# Altium PCB Tracker_v1_1_small_1.PcbDoc (continued)
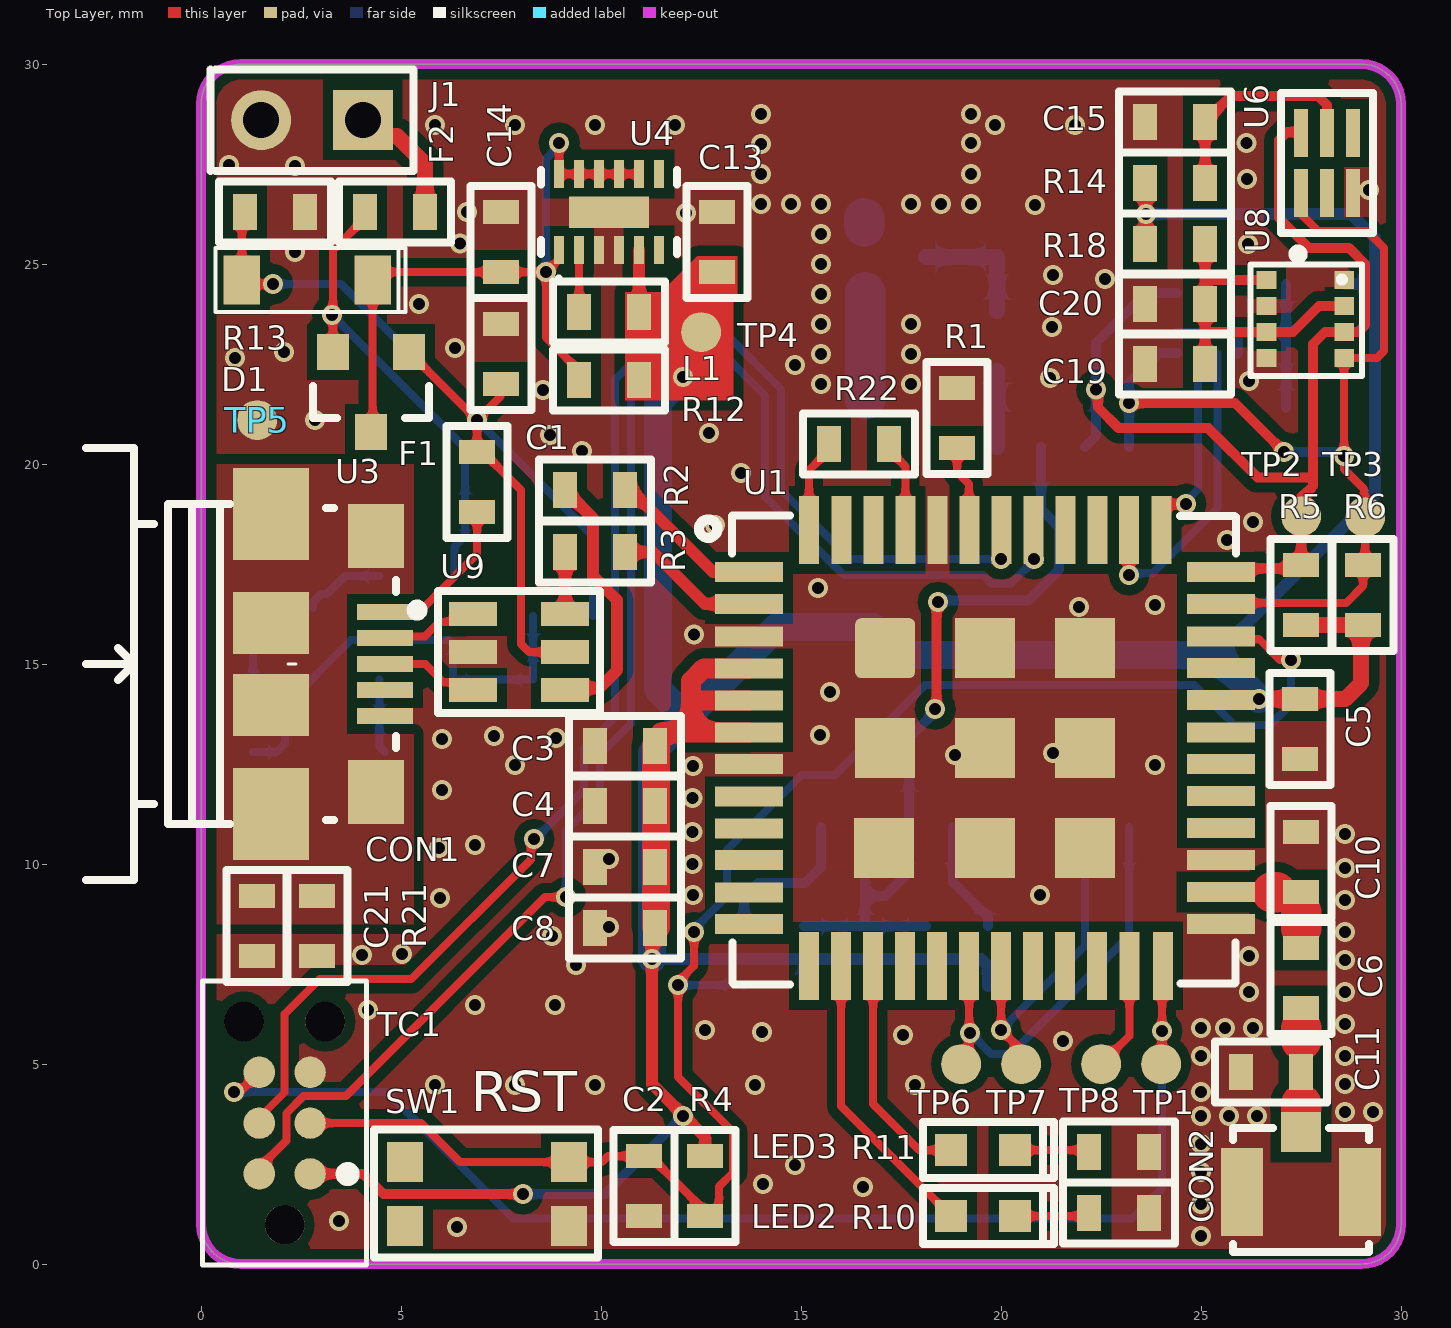
[diagram p0: Top Layer view]
## Part data (continued)
R8 R12 R14 R15 R17 R18 R19 R20 R22: library part RMCF0603ZT0R00, "RES 0 OHM JUMPER 1/10W 0603", Case/Package=0603, Case Code (Metric)=1608, Current Rating=1A, Manufacturer="Stackpole Electronics", Max Operating Temperature=155°C, Max Power Dissipation=100mW, Min Operating Temperature=-55°C, Resistance=0mR, Supplier Part Number 1=RMCF0603ZT0R00-ND, Working Voltage=75V, Case Code (Imperial)=0603, Composition="Thick Film", Contact Plating=Tin,Matte, Depth=0.8mm, Features="Automotive AEC-Q200", Height=0.022inch, Lead Free="Lead Free", Length=1.55mm, Manufacturer Part Number=RMCF0603ZT0R00, Military Standard=Not, Mount="Surface Mount", Number of Terminations=2, Packaging="Tape and Reel", Power Rating=100mW, Radiation Hardening=No, Stock 1=0, Supplier 1=Digi-Key, Width=0.031inch
R9: library part CR0603-JW-202ELF, "Res Thick Film 0603 2K Ohm 5% 1/10W ±200ppm/°C Molded SMD SMD Paper Tape on Plastic Reel", Case/Package=0603, Case Code (Metric)=1608, Manufacturer=Bourns, Max Operating Temperature=155°C, Min Operating Temperature=-55°C, Package Quantity=5000, Power Rating=100mW, Resistance=2kR, Supplier Part Number 1=2787805RL, Temperature Coefficient=200ppm/°C, Tolerance=5%, Voltage Rating=50V, Case Code (Imperial)=0603, ComponentLink1Description=http://www.bourns.com/pdfs/chpreztr.pdf?src-supplier=Avnet, ComponentLink1URL=http://www.bourns.com/pdfs/chpreztr.pdf?src-supplier=Avnet, ComponentLink2Description=http://www.bourns.com/pdfs/chpreztr.pdf?src-supplier=Avnet+Europe, ComponentLink2URL=http://www.bourns.com/pdfs/chpreztr.pdf?src-supplier=Avnet+Europe, Composition="Thick Film", Contact Plating=Tin, Depth=0.8mm, Height=0.45mm, Length=1.6mm, Manufacturer Part Number=CR0603-JW-202ELF, Military Standard=Not, Mount="Surface Mount", Packaging="Tape and Reel", Pricing 1="150=0.011, 500=0.0085, 1000=0.0077 (EUR)", Radiation Hardening=No, Stock 1=0, Supplier 1=Farnell, Termination=SMD/SMT, Thickness=457um, Width=0.8mm
R13 R21: library part CPF-A-0603B100KE1, "TE CONNECTIVITY         CPF-A-0603B100KE1             SMD Chip Resistor, Thin Film, 100 kohm, 50 V, 0603 [1608 Metric], 62.5 mW,  0.1%, CPF-A Series", Case/Package=0603, Case Code (Metric)=1608, Manufacturer="TE Connectivity", Number of Resistors=1, Power Rating=63mW, Resistance=100kR, Supplier Part Number 1=2483881RL, Temperature Coefficient=25ppm/°C, Tolerance=0.1%, Voltage Rating=50V, Case Code (Imperial)=0603, Composition="Thin Film", ELV=Compliant, Manufacturer Part Number=CPF-A-0603B100KE1, Mount="Surface Mount", Number of Terminations=2, Packaging="Tape and Reel", Pricing 1="150=0.209, 250=0.198, 500=0.172, 1000=0.135, 5000=0.13 (EUR)", REACH SVHC="No SVHC", Stock 1=0, Supplier 1=Farnell, Termination=Solder, Voltage Rating (DC)=50V
R16: library part CRCW060310R0FKEA, "RES SMD 10 OHM 1% 1/10W 0603", Case/Package=0603, Case Code (Metric)=1608, Manufacturer=Vishay, Max Operating Temperature=155°C, Max Power Dissipation=100mW, Min Operating Temperature=-55°C, Package Quantity=10, Supplier Part Number 1=541-10.0HTR-ND, Temperature Coefficient=100ppm/°C, Tolerance=1%, Voltage Rating=75V, Case Code (Imperial)=0603, ComponentLink1Description=http://www.vishay.com/docs/20035/dcrcwe3.pdf?src-supplier=Digi-Key, ComponentLink1URL=http://www.vishay.com/docs/20035/dcrcwe3.pdf?src-supplier=Digi-Key, ComponentLink2Description=http://uk.rs-online.com/webdocs/0d98/0900766b80d98afc.pdf?src-supplier=RSComponents, ComponentLink2URL=http://uk.rs-online.com/webdocs/0d98/0900766b80d98afc.pdf?src-supplier=RSComponents, ComponentLink3Description=http://www.vishay.com/docs/20035/dcrcwe3.pdf?src-supplier=Future+Electronics, ComponentLink3URL=http://www.vishay.com/docs/20035/dcrcwe3.pdf?src-supplier=Future+Electronics, ComponentLink4Description=https://www.distrelec.biz/Web/Downloads/a_/en/flD-CRCW-e3_data_en.pdf?mime=application%2Fpdf&src-supplier=Distrelec, ComponentLink4URL=https://www.distrelec.biz/Web/Downloads/a_/en/flD-CRCW-e3_data_en.pdf?mime=application%2Fpdf&src-supplier=Distrelec, ComponentLink5Description=http://www.alliedelec.com/m/d/0c934d6939ccefa68dbe0b96d821c8cf.pdf?src-supplier=Allied+Electronics, ComponentLink5URL=http://www.alliedelec.com/m/d/0c934d6939ccefa68dbe0b96d821c8cf.pdf?src-supplier=Allied+Electronics, ComponentLink6Description=http://www.vishay.com/docs/20035/dcrcwe3.pdf?src-supplier=Avnet, ComponentLink6URL=http://www.vishay.com/docs/20035/dcrcwe3.pdf?src-supplier=Avnet, ComponentLink7Description=http://www.mouser.com/ds/2/427/dcrcwe3-109170.pdf?src-supplier=Mouser, ComponentLink7URL=http://www.mouser.com/ds/2/427/dcrcwe3-109170.pdf?src-supplier=Mouser, ComponentLink8Description=http://www.farnell.com/datasheets/2045673.pdf?src-supplier=Element14, ComponentLink8URL=http://www.farnell.com/datasheets/2045673.pdf?src-supplier=Element14, Composition="Thick Film", Contact Plating=Tin, Depth=0.85mm, Features="Automotive AEC-Q200", Height=0.45mm, Lead Free="Lead Free", Length=1.55mm, Manufacturer Part Number=CRCW060310R0FKEA, Military Standard=Not, Mount="Surface Mount", Number of Pins=2, Number of Terminations=2, Packaging="Tape and Reel", Power Rating=100mW, REACH SVHC=Unknown, Resistance=10R, Stock 1=0, Supplier 1=Digi-Key, Termination=SMD/SMT, Voltage Rating (DC)=75V, Weight=7.1E-05oz, Width=0.033inch
SW1: "SWITCH TACTILE SPST-NO 0.05A 32V", Contact Current Rating=50mA, Manufacturer="ITT C&K", Max Operating Temperature=85°C, Max Voltage Rating (DC)=32V, Min Operating Temperature=-40°C, Operating Force=1.2N, Package Quantity=1, Power Rating=1W, Supplier Part Number 1=1437635RL, Actuator Length=0.5mm, Actuator Type=Standard, ComponentLink1Description=http://uk.rs-online.com/webdocs/129c/0900766b8129c9f0.pdf?src-supplier=RSComponents, ComponentLink1URL=http://uk.rs-online.com/webdocs/129c/0900766b8129c9f0.pdf?src-supplier=RSComponents, ComponentLink2Description=http://www1.futureelectronics.com/doc/C%20-%20K%20COMPONENTS/KMR211GLFS.pdf?src-supplier=Future+Electronics, ComponentLink2URL=http://www1.futureelectronics.com/doc/C%20-%20K%20COMPONENTS/KMR211GLFS.pdf?src-supplier=Future+Electronics, ComponentLink3Description=http://www.farnell.com/datasheets/2044619.pdf?src-supplier=Element14, ComponentLink3URL=http://www.farnell.com/datasheets/2044619.pdf?src-supplier=Element14, ComponentLink4Description=http://www.ck-components.com/14414/kmr2_9aug12.pdf/?src-supplier=Avnet, ComponentLink4URL=http://www.ck-components.com/14414/kmr2_9aug12.pdf/?src-supplier=Avnet, ComponentLink5Description=http://www.ck-components.com/14414/kmr2_9aug12.pdf/?src-supplier=Avnet+Europe, ComponentLink5URL=http://www.ck-components.com/14414/kmr2_9aug12.pdf/?src-supplier=Avnet+Europe, ComponentLink6Description=https://www.ckswitches.com/media/1479/kmr2.pdf?src-supplier=Digi-Key, ComponentLink6URL=https://www.ckswitches.com/media/1479/kmr2.pdf?src-supplier=Digi-Key, ComponentLink7Description=http://www.ckswitches.com/media/1479/kmr2.pdf?src-supplier=Onlinecomponents.com, ComponentLink7URL=http://www.ckswitches.com/media/1479/kmr2.pdf?src-supplier=Onlinecomponents.com, Contact Material=Silver, Contact Plating=Silver, Current Rating=50mA, Depth=4.6mm, Illumination Type=Non-Illuminated,Illuminated, Lead Free="Lead Free", Length=2.8mm, Manufacturer Part Number=KMR211GLFS, Max Current Rating=50mA, Mechanical Life=200000Cycles, Mount="Surface Mount", Orientation=Straight, Packaging="Tape and Reel", Radiation Hardening=No, REACH SVHC="No SVHC", Stock 1=0, Supplier 1=Farnell, Switch Function=Off-Mom, Switch Travel=0.2mm, Termination="Gull Wing", Throw Configuration=SPST, Voltage Rating (DC)=32V, Width=2.8mm
TP1 TP2 TP3 TP4 TP5 TP6 TP7 TP8: "TEST POINT ROUND SMD", ComponentLink1Description=Datasheet, FIT=0.94, Komp / Device=SMD
U1: "MURATA - CMWX1ZZABZ-091 - RF MODULE, 860-930MHZ, 4.8KBPS, 18.5DBM", Manufacturer=Murata, Supplier Part Number 1=2802546, Manufacturer Part Number=CMWX1ZZABZ-091, Pricing 1="1=16.46, 5=16.26, 10=13.54, 50=12.97, 100=12.39, 250=9.81 (EUR)", Stock 1=1534, Supplier 1=Farnell
U2: "MICROCHIP - MCP73831T-2ACI/OT - LI-ION/LI-POLY CHARGE CONTROLLER", Case/Package=SOT-23, Drain to Source Resistance=350mR, Manufacturer=Microchip, Max Charge Current=500mA, Max Input Voltage=6V, Max Operating Temperature=85°C, Max Output Voltage=4.5V, Max Power Dissipation=1.54W, Min Operating Temperature=-40°C, Min Output Voltage=4.168V, Min Supply Voltage=3.75V, Output Voltage=4.2V, Supplier Part Number 1=1332158, Voltage Rating=4.534V, ComponentLink1Description=http://www.microchip.com/mymicrochip/filehandler.aspx?ddocname=en023833&src-supplier=Digi-Key, ComponentLink1URL=http://www.microchip.com/mymicrochip/filehandler.aspx?ddocname=en023833&src-supplier=Digi-Key, ComponentLink2Description=http://www.farnell.com/datasheets/630369.pdf?src-supplier=Element14, ComponentLink2URL=http://www.farnell.com/datasheets/630369.pdf?src-supplier=Element14, ComponentLink3Description=http://www.farnell.com/datasheets/2124927.pdf?src-supplier=Element14, ComponentLink3URL=http://www.farnell.com/datasheets/2124927.pdf?src-supplier=Element14, ComponentLink4Description=http://ww1.microchip.com/downloads/en/DeviceDoc/21984e.pdf?src-supplier=Avnet, ComponentLink4URL=http://ww1.microchip.com/downloads/en/DeviceDoc/21984e.pdf?src-supplier=Avnet, ComponentLink5Description=http://www.farnell.com/datasheets/2124927.pdf?src-supplier=Newark, ComponentLink5URL=http://www.farnell.com/datasheets/2124927.pdf?src-supplier=Newark, ComponentLink6Description=http://www.microchip.com/mymicrochip/filehandler.aspx?ddocname=en025112&src-supplier=Future+Electronics, ComponentLink6URL=http://www.microchip.com/mymicrochip/filehandler.aspx?ddocname=en025112&src-supplier=Future+Electronics, ComponentLink7Description=http://www.produktinfo.conrad.com/datenblaetter/650000-674999/651521-da-01-en-CONTR__MCP73831T_2ACI_OT_SOT_23_5_MCP.pdf?src-supplier=Conrad, ComponentLink7URL=http://www.produktinfo.conrad.com/datenblaetter/650000-674999/651521-da-01-en-CONTR__MCP73831T_2ACI_OT_SOT_23_5_MCP.pdf?src-supplier=Conrad, Contact Plating=Tin,Matte, Height=0.051inch, Lead Free="Lead Free", Length=0.122inch, Manufacturer Part Number=MCP73831T-2ACI/OT, Max Supply Voltage=6V, Mount="Surface Mount", Number of Cells=1, Number of Channels=1, Number of Outputs=1, Number of Pins=5, Output Current=500mA, Packaging="Tape and Reel", Pricing 1="1=0.493, 10=0.484, 25=0.412, 50=0.39, 100=0.368 (EUR)", Radiation Hardening=No, REACH SVHC="No SVHC", Stock 1=14250, Supplier 1=Farnell, Termination=SMD/SMT, Weight=0.00709oz, Width=0.071inch
U3: "MOSFET P-CH 20V 4A SOT-23", Case/Package=SOT-23, Continuous Drain Current (ID)=4A, Drain to Source Breakdown Voltage=-20V, Drain to Source Resistance=42.5mR, Drain to Source Voltage (Vdss)=20V, Gate to Source Voltage (Vgs)=8V, Input Capacitance=294pF, Manufacturer=Diodes, Max Operating Temperature=150°C, Max Power Dissipation=900mW, Min Operating Temperature=-55°C, Package Quantity=3000, Supplier Part Number 1=1843688RL, Threshold Voltage=-550mV, ComponentLink1Description=http://www.diodes.com/datasheets/ds31735.pdf?src-supplier=Avnet, ComponentLink1URL=http://www.diodes.com/datasheets/ds31735.pdf?src-supplier=Avnet, ComponentLink2Description=https://www.diodes.com/assets/Datasheets/ds31735.pdf?src-supplier=Digi-Key, ComponentLink2URL=https://www.diodes.com/assets/Datasheets/ds31735.pdf?src-supplier=Digi-Key, ComponentLink3Description=http://www.mouser.com/ds/2/115/ds31735-64958.pdf?src-supplier=Mouser, ComponentLink3URL=http://www.mouser.com/ds/2/115/ds31735-64958.pdf?src-supplier=Mouser, ComponentLink4Description=http://www.farnell.com/datasheets/1915618.pdf?src-supplier=Element14, ComponentLink4URL=http://www.farnell.com/datasheets/1915618.pdf?src-supplier=Element14, ComponentLink5Description=http://www.diodes.com/_files/datasheets/ds31735.pdf?src-supplier=Future+Electronics, ComponentLink5URL=http://www.diodes.com/_files/datasheets/ds31735.pdf?src-supplier=Future+Electronics, Contact Plating=Tin,Matte, Element Configuration=Single, Fall Time=393ns, Height=1mm, Lead Free="Lead Free", Length=2.9mm, Manufacturer Part Number=DMG3415U-7, Mount="Surface Mount", Nominal Vgs=-550mV, Number of Channels=1, Number of Elements=1, Number of Pins=3, On-State Resistance=42.5mR, Packaging="Tape and Reel", Power Dissipation=900mW, Radiation Hardening=No, Rds On Max=39mR, REACH SVHC="No SVHC", Rise Time=117ns, Stock 1=0, Supplier 1=Farnell, Turn-Off Delay Time=795ns, Turn-On Delay Time=71ns, Weight=0.000282oz, Width=1.3mm
U4: "Switching Voltage Regulators 360-nA Iq SD Cnvtr w/ Intg Load Switch", Manufacturer="Texas Instruments", Max Input Voltage=5.5V, Max Operating Temperature=85°C, Max Output Current=300mA, Max Output Voltage=3.3V, Min Input Voltage=2.2V, Min Operating Temperature=-40°C, Min Output Voltage=1.8V, Package Quantity=3000, Quiescent Current=300nA, Supplier Part Number 1=2542791, Switching Frequency=2MHz, ComponentLink1Description=http://www.ti.com/lit/ds/symlink/tps62740.pdf?src-supplier=Digi-Key, ComponentLink1URL=http://www.ti.com/lit/ds/symlink/tps62740.pdf?src-supplier=Digi-Key, ComponentLink2Description=http://www.ti.com/lit/ds/symlink/tps62740.pdf?src-supplier=Avnet, ComponentLink2URL=http://www.ti.com/lit/ds/symlink/tps62740.pdf?src-supplier=Avnet, Efficiency=90%, Lead Free="Lead Free", Manufacturer Part Number=TPS62740DSSR, Min Supply Voltage=2.2V, Mount="Surface Mount", Number of Outputs=1, Number of Pins=12, Operating Supply Current=300mA, Operating Supply Voltage=5.5V, Output Current=300mA, Output Voltage=3.3V, Packaging="Tape and Reel", Pricing 1="3000=0.685, 6000=0.679, 9000=0.672 (EUR)", Radiation Hardening=No, REACH SVHC="No SVHC", Stock 1=0, Supplier 1=Farnell
U5: library part MAX-M8Q-0, "Rf Rcvr Gnss/gps 1.575GHZ 18LCC", Manufacturer=u-blox, Supplier Part Number 1=672-1003-6-ND, Manufacturer Part Number=MAX-M8Q-0, Stock 1=10805, Supplier 1=Digi-Key
U6: "IC LIGHT TO DGTL CONV 6-DFN", Case/Package=WFDFN, Manufacturer="ams TAOS", Max Frequency=400kHz, Max Operating Temperature=70°C, Min Operating Temperature=-30°C, Operating Supply Voltage=3V, Package Quantity=1, Supplier Part Number 1=TSL25911FNTR-ND, ComponentLink1Description=http://www.mouser.com/ds/2/588/TSL2591_DS000338_3-00-253098.pdf?src-supplier=Mouser, ComponentLink1URL=http://www.mouser.com/ds/2/588/TSL2591_DS000338_3-00-253098.pdf?src-supplier=Mouser, ComponentLink2Description=http://www1.futureelectronics.com/doc/AMS/TSL25911FN.pdf?src-supplier=Future+Electronics, ComponentLink2URL=http://www1.futureelectronics.com/doc/AMS/TSL25911FN.pdf?src-supplier=Future+Electronics, ComponentLink3Description=https://ams.com/documents/20143/36005/TSL2591_DS000338_6-00.pdf?src-supplier=Digi-Key, ComponentLink3URL=https://ams.com/documents/20143/36005/TSL2591_DS000338_6-00.pdf?src-supplier=Digi-Key, ComponentLink4Description=http://www.ams.com/eng/content/download/389383/1251117/221235?src-supplier=Digi-Key, ComponentLink4URL=http://www.ams.com/eng/content/download/389383/1251117/221235?src-supplier=Digi-Key, Data Bus Width=16b, Interface=I2C, Lead Free="Lead Free", Manufacturer Part Number=TSL25911FN, Number of Pins=6, Output Type=I2C, Packaging="Tape and Reel", Stock 1=28000, Supplier 1=Digi-Key, Wavelength=850nm
U7: "STMICROELECTRONICS - LIS2DH12TR - 3-AXIS ACCELEROMETER, DIGITAL, LGA-12", Case/Package=LGA, Manufacturer=STMicroelectronics, Max Operating Temperature=85°C, Max Supply Voltage=3.6V, Min Operating Temperature=-40°C, Min Supply Voltage=1.71V, Supplier Part Number 1=2433081RL, Axis="X, Y, Z", Bandwidth=672Hz, ComponentLink1Description=http://www.farnell.com/datasheets/2006544.pdf?src-supplier=Element14, ComponentLink1URL=http://www.farnell.com/datasheets/2006544.pdf?src-supplier=Element14, Contact Plating=Gold, Height=1mm, Interface=I2C,SPI, Lead Free="Lead Free", Length=2.15mm, Manufacturer Part Number=LIS2DH12TR, Mount="Surface Mount", Number of Pins=12, Output Type=SPI,I2C,Digital, Packaging="Cut Tape", Radiation Hardening=No, REACH SVHC="No SVHC", Stock 1=0, Supplier 1=Farnell, Width=2.15mm
U8: "Pressure, Temperature and Humidity Sensor Digital Output 1.8V 8-Pin LGA T/R", Case/Package=LGA, Manufacturer=Bosch, Supplier Part Number 1=828-1063-2-ND, Lead Free="Lead Free", Manufacturer Part Number=BME280, Number of Pins=8, Stock 1=0, Supplier 1=Digi-Key
U9: "TVS DIODE 5.25V 17V SOT23-6", Breakdown Voltage=6V, Capacitance=3.5pF, Case/Package=SOT-23, Clamping Voltage=17V, Leakage Current=150nA, Manufacturer=STMicroelectronics, Max Operating Temperature=125°C, Min Operating Temperature=-40°C, Operating Supply Voltage=1.1V, Package Quantity=3000, Peak Pulse Current=5A, Power Line Protection=Yes, Reverse Standoff Voltage=5.25V, Test Current=1mA, Working Voltage=5V, ComponentLink1Description=http://www.farnell.com/datasheets/1690354.pdf?src-supplier=Element14, ComponentLink1URL=http://www.farnell.com/datasheets/1690354.pdf?src-supplier=Element14, ComponentLink2Description=http://www.st.com/content/ccc/resource/technical/document/datasheet/06/1d/48/9c/6c/20/4a/b2/CD00050750.pdf/files/CD00050750.pdf/jcr:content/translations/en.CD00050750.pdf?src-supplier=Mouser, ComponentLink2URL=http://www.st.com/content/ccc/resource/technical/document/datasheet/06/1d/48/9c/6c/20/4a/b2/CD00050750.pdf/files/CD00050750.pdf/jcr:content/translations/en.CD00050750.pdf?src-supplier=Mouser, ComponentLink3Description=http://www.st.com/web/en/resource/technical/document/datasheet/CD00050750.pdf?src-supplier=Future+Electronics, ComponentLink3URL=http://www.st.com/web/en/resource/technical/document/datasheet/CD00050750.pdf?src-supplier=Future+Electronics, ComponentLink4Description=http://www.st.com/content/ccc/resource/technical/document/datasheet/06/1d/48/9c/6c/20/4a/b2/CD00050750.pdf/files/CD00050750.pdf/jcr:content/translations/en.CD00050750.pdf?src-supplier=Verical, ComponentLink4URL=http://www.st.com/content/ccc/resource/technical/document/datasheet/06/1d/48/9c/6c/20/4a/b2/CD00050750.pdf/files/CD00050750.pdf/jcr:content/translations/en.CD00050750.pdf?src-supplier=Verical, ComponentLink5Description=http://datasheet.iiic.cc/stmicroelectronics/USBLC6-2SC6.pdf?src-supplier=IIIC, ComponentLink5URL=http://datasheet.iiic.cc/stmicroelectronics/USBLC6-2SC6.pdf?src-supplier=IIIC, ComponentLink6Description=http://www.produktinfo.conrad.com/datenblaetter/1100000-1199999/001184109-da-01-en-IC_ESD_PROTECTI_USBLC6_2SC6_SOT_23_6_STM.pdf?src-supplier=Conrad, ComponentLink6URL=http://www.produktinfo.conrad.com/datenblaetter/1100000-1199999/001184109-da-01-en-IC_ESD_PROTECTI_USBLC6_2SC6_SOT_23_6_STM.pdf?src-supplier=Conrad, Contact Plating=Tin,Matte, Data Rate=480Mbps, Depth=1.75mm, Direction=Unidirectional,Bidirectional, Element Configuration=Dual, ESD Protection=Yes, Height=1.3mm, Lead Free="Lead Free", Length=3.05mm, Manufacturer Part Number=USBLC6-2SC6, Max Breakdown Voltage=6V, Max Reverse Leakage Current=150nA, Min Breakdown Voltage=6V, Mount="Surface Mount", Number of Bidirectional Channels=2, Number of Channels=2, Number of Elements=1, Number of Pins=6, Packaging="Tape and Reel", Polarity=Unidirectional,Bidirectional, Radiation Hardening=No, REACH SVHC="No SVHC", Reverse Breakdown Voltage=6V, Stock 1=0, Supplier 1=Farnell, Termination=SMD/SMT, Width=1.75mm

## Via types
v1: diameter 0.5, hole 0.3, Top Layer to Bottom Layer, tented both sides, 144 vias
v2: diameter 0.5, hole 0.3, Top Layer to Bottom Layer, 14 vias

## Nets (pads, with @x,y where several pads share a name; then routed paths per layer and width w, separated by ;. In a path a pad name is that pad's centre, name@x,y a point inside that pad or via, vN(x,y) a via of type N, cw(c..) or ccw(c..) an arc to the next point about the centre after c; other vN are vias at no path point)
ACC_INT_1: U1.37 U7.12 | length 5.1
  Top Layer w0.25: U1.37 24.008,18.876 24.133,19.001 v1(24.626,19.001)
  Bottom Layer w0.2: v1(24.626,19.001) 24.626,19.069 24.927,19.37 24.927,22.748 U7.12
ACC_INT_2: U1.38 U7.11 | length 7.9
  Top Layer w0.25: v1(23.198,17.225) U1.38
  Bottom Layer w0.2: v1(23.198,17.225) 23.246,17.273 23.788,17.273 25.412,18.898 U7.11
GND: C1.1 C2.1 C3.1 C4.1 C5.1 C7.1 C8.1 C9.1 C10.1 C11.1 C12.1 C13.1 C14.1 C15.1 C16.1 C17.2 C18.2 C19.1 C20.1 C21.2 C22.1 C23.1 CON1.5 CON2.2 CON3.2 J1.2 R1.1 R9.1 R10.1 R11.1 R13.2 R21.2 SW1.4 TC1.5 TP5.0 U1.3 U1.7 U1.25 U1.27 U1.44 U1.49 U1.50 U1.51 U1.52 U1.53 U1.54 U1.55 U1.56 U1.57 U2.2 U4.3 U4.4 U4.13 U5.1 U5.10 U5.12 U6.3 U7.3 U7.5 U7.6 U7.7 U7.8 U8.1 U8.5 U8.7 U9.2
  other v1: 25,0.7 6.4,0.925 3.45,1.075 25,1.5 16.55,1.925 14.05,2 25,2.3 14.85,2.475 25,3 25,3.7 25.7,3.7 26.4,3.7 28.6,3.8 29.3,3.8 25,4.3 5.85,4.475 7.85,4.475 9.85,4.475 13.85,4.475 17.85,4.475 28.6,4.5 25,5.2 28.6,5.2 21.55,5.575 17.55,5.725 25,5.9 25.6,5.9 26.3,5.9 28.6,6 4.175,6.35 6.85,6.475 8.85,6.475 26.2,6.8 28.6,6.8 9.375,7.475 28.6,7.6 26.2,7.7 4.025,7.725 5.025,7.75 8.775,8.201 28.6,8.3 10.2,8.425 28.6,9.1 5.975,9.15 20.975,9.225 28.6,9.9 10.2,10.125 5.946,10.4 6.85,10.475 28.6,10.75 6.025,11.85 7.85,12.475 23.85,12.475 18.842,12.725 21.3,12.777 6.025,13.125 8.875,13.15 7.32,13.2 15.475,13.225 15.725,14.3 21.95,16.425 23.85,16.475 25.65,18.1 12.85,18.475 26.3,18.55 13.5,19.775 8.725,20.725 12.7,20.775 2.85,21.103 15.5,22 17.75,22 21.225,22.15 14.85,22.475 0.85,22.65 15.5,22.75 17.75,22.75 2.075,22.8 6.35,22.9 21.275,23.425 15.5,23.5 17.75,23.5 5.45,24 15.5,24.25 22.6,24.632 21.3,24.725 15.5,25 6.475,25.512 26.175,25.5 15.5,25.75 12.122,26.275 6.65,26.3 20.85,26.475 14,26.5 14.75,26.5 15.5,26.5 17.75,26.5 18.5,26.5 19.25,26.5 29.2,26.85 26.15,27.125 14,27.25 19.25,27.25 2.35,27.45 0.7,27.475 14,28 19.25,28.03 26.136,28.03 5.85,28.475 7.85,28.475 9.85,28.475 11.85,28.475 19.85,28.475 21.85,28.475 14,28.75 19.25,28.75
  other v2: 14.025,5.8 12.6,5.85 12.301,9.225 12.288,10 12.286,10.8 12.286,11.65 12.304,12.45 12.325,15.736 15.425,16.9 9.525,20.325 8.546,21.85 26.197,22.075 2.35,25.3
NetC6_1: C6.1 C10.2 U1.26 | length 0.5
  Top Layer w1.016: 26.775,9.295 26.875,9.295 ; 27.5,8.4 27.5,8.8
NetC6_2: C6.2 C11.2 CON2.1 | length 0.4
  Top Layer w1.016: 27.5,3.9 27.5,4 ; 27.5,5.6 27.5,5.9
NetC9_2: C9.2 LED1.2 R8.1 U2.4 | length 11.2
  Bottom Layer w0.2: LED1.2 1.883,12.8 2.1,13.017 2.1,13.956 3.742,15.598 6.183,15.598 6.3,15.481 6.3,14.649 U2.4 C9.2 R8.1
NetC14_2: C14.2 D1.1 R12.2 U3.1 U4.1 U4.8 U4.9 U4.10 U4.11 U4.12 | length 18.1
  Top Layer w0.2: U3.1 4.291,20.843 D1.1 4.491,24.8 C14.2 v1(8.625,24.8) ; v1(8.95,28.03) U4.12 U4.11 U4.10 U4.9 U4.8 ; U4.1@8.971,25.329 U4.1 8.95,25.125 v1(8.625,24.8) ; R12.2 9.45,22.34 8.625,23.165 v1(8.625,24.8)
  Bottom Layer w0.2: v1(8.625,24.8) 8.625,27.624 8.95,27.949 v1(8.95,28.03)
NetC15_2: C15.2 R14.1 U6.5 | length 5.6
  Top Layer w0.25: R14.1 C15.2 25.75,29.2 27.925,29.2 28.15,28.975 U6.5
NetC16_2: C16.2 L2.1 R16.1 | length 3.1
  Bottom Layer w0.4: L2.1@18.125,25.175 C16.2 R16.1
NetC17_1: C17.1 C18.1 R17.1 U7.2 U7.9 U7.10 | length 6.4
  Bottom Layer w0.25: U7.2 U7.9 ; U7.10@25.9,22.75 U7.10 U7.9 ; C18.1 C17.1 C17.1@27.125,23.1 ; R17.1 C17.1@27.125,23.1 ; U7.9 26.95,23.275 C17.1@27.125,23.1
NetC19_2: C19.2 C20.2 R18.1 U8.2 U8.6 U8.8 | length 8.2
  Top Layer w0.25: C19.2 25.1,23.25 ; R18.1 25.1,24.75 C20.2 ; C20.2@25.125,24.025 C20.2 ; 25.25,24.6 U8.8 ; U8.2 27.95,23.95 27.3,23.3 U8.6 25.15,23.3 25.1,23.25 ; 25.1,23.25 C20.2
NetC21_1: C21.1 CON1.6 CON1.7 CON1.8 CON1.9 CON1.10 CON1.11 R21.1
NetC22_2: C22.2 C23.2 R19.2 U5.7 U5.8 U5.15 | length 20.5
  Top Layer w0.25: v1(18.351,13.876) 18.388,13.913 18.388,16.513 v1(18.425,16.55)
  Bottom Layer w0.25: R19.2 C23.2 ; U5.8 16.6,9.2 ; C22.2 C23.2 ; v1(18.351,13.876) 18.351,13.808 17.7,13.157 U5.7 17.65,10.875 17.65,9.75 17.1,9.2 16.6,9.2 ; v1(18.425,16.55) 18.471,16.596 20.686,16.596 21.454,17.364 21.454,18.418 21,18.872 U5.15 ; C23.2 16.6,9.2
NetCON1_1: CON1.1 F1.1 | length 4
  Top Layer w0.2: CON1.1 4.65,16.25 5.4,16.25 5.846,16.696 ; 5.846,16.697 6.9,17.751 F1.1
NetCON3_1: CON3.1 L2.2 U5.11 | length 2.9
  Bottom Layer w1.016: 16.575,25.95 16.575,26.15 ; 16.6,21.625 16.6,24.3
NetF2_2: F2.2 J1.1 | length 3.2
  Top Layer w0.4: J1.1 4.443,28.2 4.9,28.2 5.6,27.5 F2.2
NetL1_1: L1.1 U4.2 | length 1.5
  Top Layer w0.2: L1.1 U4.2
NetLED1_1: LED1.1 R7.1 | length 2
  Bottom Layer w0.2: LED1.1 R7.1
NetLED2_1: LED2.1 R10.2 | length 1.9
  Top Layer w0.2: LED2.1 22.125,1.2 R10.2
NetLED2_2: LED2.2 U1.14 | length 7.4
  Top Layer w0.2: U1.14 16,3.95 LED2.2
NetLED3_1: LED3.1 R11.2 | length 1.9
  Top Layer w0.2: LED3.1 22.15,2.85 R11.2
NetLED3_2: LED3.2 U1.15 | length 5.9
  Top Layer w0.2: U1.15 16.8,4 17.95,2.85 LED3.2
NetR1_2: R1.2 U1.43 | length 2.2
  Top Layer w0.2: R1.2 18.9,19.8 19.195,19.505 19.195,18.368 U1.43
NetR7_2: R7.2 U2.1 | length 2.1
  Bottom Layer w0.2: R7.2 2.8,16.55 3,16.75 3.15,16.75 3.6,17.2 U2.1
NetR9_2: R9.2 U2.5 | length 1.9
  Bottom Layer w0.2: U2.5 4.46,12.94 R9.2
NetR15_1: R15.1 U5.9 | length 4
  Bottom Layer w0.25: R15.1 13.575,9.175 13.925,9.525 15.1,9.525 15.5,9.925 U5.9
NetR16_2: R16.2 U5.14 | length 1.9
  Bottom Layer w0.4: U5.14 R16.2
NetR20_2: R20.2 U5.6 | length 2.8
  Bottom Layer w0.25: U5.6 18.8,9.55 19.675,8.675 R20.2
NetR22_1: R22.1 U1.48 | length 2.4
  Top Layer w0.2: U1.48 15.198,19.848 15.7,20.35 R22.1
NetR22_2: R22.2 U1.45 | length 2.3
  Top Layer w0.2: R22.2 17.2,20.35 17.608,19.942 U1.45
RST: C2.2 R4.1 R15.2 SW1.1 TC1.3 U1.34 | length 42.6
  Top Layer w0.2: TC1.3@3.08,3.525 5.5,3.525 6.475,2.55 SW1.1 10.025,2.55 10.175,2.7 C2.2 11.225,2.7 12.45,1.475 12.45,1.2 R4.1 12.75,1.2 12.95,1.4 12.95,1.943 13.302,2.295 13.302,3.302 11.925,4.679 v1(11.925,6.975) 11.925,7.056 12.326,7.457 v2(12.326,8.3) ; U1.34 25.572,15.621 26.454,15.621 26.975,15.1 v1(27.25,15.1)
  Bottom Layer w0.2: v1(11.925,6.975) 13.55,6.975 R15.2 ; v2(12.326,8.3) 12.326,8.373 13.15,9.198 13.15,10.358 15.017,12.225 15.846,12.225 18.101,14.48 24.826,14.48 25.831,13.475 26.719,13.475 27.25,14.006 v1(27.25,15.1)
SCL: R6.1 TP3.0 U1.35 U5.17 U6.1 U7.1 U8.4 | length 25.1
  Top Layer w0.2: U1.35 25.52,16.527 28.627,16.527 29.05,16.95 R6.1 29.1,17.525 TP3.0 29.075,18.7 29.075,19.375 28.575,19.875 v1(28.575,20.2) U8.4 ; U6.1 27.5,26.25 27.925,25.825 29.148,25.825 29.573,25.4 29.573,22.825 29.398,22.65 U8.4@28.8,22.65
  Top Layer w0.25: v1(23.201,21.526) 25.849,21.526 v1(27.075,20.3)
  Bottom Layer w0.25: U5.17 v1(23.201,21.526) ; v1(23.201,21.526) v1(23.201,21.526) ; U7.1 23.95,22.775 23.2,22.025 v1(23.201,21.526) ; v1(27.075,20.3) 28.407,20.3 28.507,20.2 v1(28.575,20.2)
SDA: R5.1 TP2.0 U1.36 U5.16 U6.6 U7.4 U8.3 | length 27.8
  Top Layer w0.25: v1(22.375,21.863) 22.423,21.815 22.423,21.415 22.941,20.897 25.181,20.897 26.407,19.671 27.775,19.671 ; U1.36 25.583,17.39 27.415,17.39 R5.1 TP2.0 27.5,19.15 27.8,19.45 27.8,23 28.1,23.3 U8.3 28.925,23.3 29.097,23.472 29.097,25.005 28.702,25.4 27.7,25.4 26.95,26.15 26.95,28.1 27.15,28.3 27.475,28.3 U6.6
  Bottom Layer w0.25: U5.16 22.375,20.7 v1(22.375,21.863) 22.375,23.025 23.625,24.275 U7.4
SWCLK: TC1.4 U1.42 | length 37.7
  Top Layer w0.2: TC1.4 1.455,3.66 2.09,4.295 2.09,6.25 2.961,7.121 5.25,7.121 8.246,10.117 8.246,10.546 v1(8.325,10.626)
  Bottom Layer w0.2: v1@8.246,10.526 9.575,11.855 9.575,12.9 10.352,13.677 10.352,22.118 11.459,23.225 13.15,23.225 14.504,21.871 14.504,19.346 16.225,17.625 v1(20,17.625)
SWDIO: TC1.2 U1.41 | length 39.1
  Top Layer w0.2: TC1.2 1.455,2.414 2.131,3.09 2.131,3.771 2.562,4.201 3.626,4.201 8.6,9.175 v1(9.125,9.175)
  Bottom Layer w0.2: v1(9.125,9.175) 9.125,10.839 9.975,11.689 9.975,12.734 10.752,13.512 10.752,21.952 11.625,22.825 12.984,22.825 14.104,21.705 14.104,19.18 16.059,17.225 19.546,17.225 19.75,17.021 20.25,17.021 20.825,17.596 v1(20.825,17.625)
USART1_RX: TP6.0 U1.18 U5.2 | length 10.7
  Top Layer w0.2: TP6.0 19.2,5.2 U1.18
  Bottom Layer w0.2: v1(19.226,5.776) 19.75,5.252 20.25,5.252 23.2,8.202 U5.2
USART1_TX: TP7.0 U1.19 U5.3 | length 8.4
  Top Layer w0.2: U1.19 v1(20,5.856) 20.475,5.381 TP7.0@20.475,5.2
  Bottom Layer w0.2: v1(20,5.856) 22.1,7.956 U5.3
USART_RX: TP8.0 U1.23 | length 2.7
  Top Layer w0.2: TP8.0 23.207,5.707 U1.23
USART_TX: TC1.6 TP1.0 U1.24 | length 32
  Top Layer w0.2: v1(0.825,4.3) 0.83,4.305 0.965,4.305 TC1.6 ; TP1.0 24.024,5.024 v1(24.024,5.825) 24.024,7.426 U1.24
  Bottom Layer w0.2: v1(0.825,4.3) 4.646,4.3 7.8,1.146 23.273,1.146 24.024,1.897 v1(24.024,5.825)
USB_A_N: R3.1 U9.6 | length 1.5
  Top Layer w0.3: U9.6 R3.1
USB_A_P: R2.1 U9.4 | length 6.8
  Top Layer w0.3: U9.4@9.05,14.3 U9.4 9.15,14.4 9.95,14.4 10.4,14.85 10.4,16.6 9.804,17.196 9.804,18.646 R2.1 R2.1@9.1,19.5
USB_N: CON1.2 U9.1 | length 2.4
  Top Layer w0.2: CON1.2 4.645,15.695 5.6,15.695 5.955,16.05 6.6,16.05 U9.1
USB_P: CON1.3 U9.3 | length 2.5
  Top Layer w0.2: CON1.3 5.605,15 6.055,14.55 6.6,14.55 U9.3
USB_R_N: R3.2 U1.2 | length 3.8
  Top Layer w0.3: R3.2 10.6,17.65 10.75,17.8 11.3,17.8 12.595,16.505 U1.2
USB_R_P: R2.2 U1.1 | length 4
  Top Layer w0.3: R2.2@10.6,19.5 12.795,17.305 U1.1
Vbat: C12.2 F2.1 U2.3 U3.2 | length 11.8
  Top Layer w0.2: U3.2 3.298,25.348 4.1,26.15 F2.1
  Bottom Layer w0.2: v1(3.275,23.725) 6.6,20.4 C12.2 6.6,18.2 6.34,17.94 U2.3
VCC: C3.2 C4.2 C5.2 C7.2 C8.2 C13.2 L1.2 R4.2 R5.2 R6.2 R12.1 R14.2 R17.2 R18.2 R19.1 R20.1 TC1.1 TP4.0 U1.4 U1.5 U1.6 U1.32 U4.5 | length 96.8
  Top Layer w0.25: TC1.1 4.053,2.255 4.558,1.75 v1(8.05,1.75)
  Top Layer w0.3: L1.2 U4.5 ; C8.2 11.271,8.326 v1(11.271,7.625) 11.271,4.504 12.6,3.175 R4.2 ; R18.2 23.612,25.512 23.612,26.237 v1(23.625,26.25) 23.612,26.263 23.612,27.013 R14.2
  Top Layer w0.4: C3.2 C3.2@11.371,12.967 ; v1(26.45,14.125) C5.2 28.6,14.125 29,14.525 29,15.8 29.175,15.975 R6.2 R5.2
  Top Layer w0.5: C7.2 11.35,10.08 C7.2@11.375,10.105 ; C3.2@11.5,13.295 12.25,13.295 ; U1.6 12.25,13.295 ; U1.5 12.255,14.095 12.25,14.1 ; U1.4 12.57,14.895 12.25,14.575 12.25,14.1 ; 12.25,13.295 12.25,14.1
  Top Layer w0.7: C3.2@11.371,12.967 11.375,12.963 11.375,10.105 C8.2@11.375,8.43 ; v1(12.05,22.175) 12.1,22.175 12.325,21.95
  Bottom Layer w0.25: v1(8.05,1.75) 10.1,1.75 v1(12.05,3.7)
  Bottom Layer w0.3: v1(11.271,7.625) 11.275,7.629 15.021,7.629 ; R19.1 15.075,7.575 15.021,7.629 ; R20.1 19.675,7.45 19.496,7.629 15.021,7.629 ; v1(23.625,26.25) 28.75,26.25 29.35,25.65 29.35,19.225 25.35,15.225 ; R17.2 29.3,24.5
  Bottom Layer w0.7: v1(11.271,7.625) 11.271,12.796 14.4,15.925 16.796,15.925 17.496,15.225 25.35,15.225 v1(26.45,14.125) ; 11.897,13.892 11.425,14.364 11.425,21.55 v1(12.05,22.175)
VCC_USB: C1.2 D1.2 F1.2 R8.2 R13.1 U3.3 U9.5 | length 26.1
  Top Layer w0.2: R13.1 1.021,26.221 D1.2 1.121,24.5 v1(1.8,24.5) ; U3.3 5.198,22.75 5.25,22.75 v1(6.9,21.1) ; C1.2 7.489,22 7.489,21.689 v1(6.9,21.1) ; U9.5 8.2,15.3 8,15.5 8,19.35 7.05,20.3 F1.2 v1(6.9,21.1)
  Bottom Layer w0.2: v1(1.8,24.5) 3.5,24.5 v1(6.9,21.1) 9.8,18.2 R8.2
pads on no net: CON1.4 SW1.2 SW1.3 TC1.None TP1.1 TP2.1 TP3.1 TP4.1 TP5.1 TP6.1 TP7.1 TP8.1 U1.8 U1.9 U1.10 U1.11 U1.12 U1.13 U1.16 U1.17 U1.20 U1.21 U1.22 U1.28 U1.29 U1.30 U1.31 U1.33 U1.39 U1.40 U1.46 U1.47 U4.6 U4.7 U5.4 U5.5 U5.13 U5.18 U6.2 U6.4

## Polygon pours and split planes (outlines as drawn)
GND on Top Layer "Top Layer-GND" (solid, remove dead copper, pour order 4): 0,1 0,29 cw(c1,29) 1,30 29,30 cw(c29,29) 30,29 30,1 cw(c29,1) 29,0 1,0 cw(c1,1)
NetC21_1 on Top Layer "Micro USB" (solid, pour order 2): 0,8.5 5.312,8.5 5.312,20 0,20
GND on Bottom Layer "Bottom Layer-GND" (solid, remove dead copper, pour order 5): 0,1 0,29 cw(c1,29) 1,30 29,30 cw(c29,29) 30,29 30,1 cw(c29,1) 29,0 1,0 cw(c1,1)

## Keep-outs
Keep-Out Layer:
  the board outline again, w0.254

## Other copper
Top Layer:
  region net VCC: 13.4,24.2 13.3,24.1 13.3,21.6 11.3,21.6 11.3,23.3
  region net VCC: 10.6,24.3 10.6,21.6 11.3,21.6 11.3,23.5
  region: 7,26.6
  region net VCC: 10.6,24.3 11.5,24.3 12.4,25.2 13.4,25.2 13.4,24.2 12.5,23.3 10.6,23.3

## Silkscreen, mask and mechanical layers (free items; w line width, h text height)
Top Overlay:
  text "RST" at 6.738,3.825 h1
Bottom Overlay:
  text "IRNAS.eu" at 10.5,3.975 h1
  text "Hare Tracker" at 10.5,2.375 h0.8
  text "v2.0" at 10.5,0.8 h0.8

## Dimensions
29,30 to 29,0 on Mechanical 1
0,1 to 30,1 on Mechanical 1

## Text inside footprints (layer, text, board x,y; h text height)
J1: Bottom Overlay "VBAT" at 3.625,24.325 h0.8 r270; Bottom Overlay "GND" at 1.125,24.325 h0.8 r270
TC1: Mechanical 29 "SDIO" at 0.667,2.386 h0.4 r180; Mechanical 29 "SCLK" at 0.667,3.783 h0.4 r180; Mechanical 29 "Boot" at 0.667,4.926 h0.4 r180; Mechanical 29 "Vcc" at 4.731,2.386 h0.5 r180; Mechanical 29 "RST" at 4.731,3.783 h0.5 r180; Mechanical 29 "GND" at 4.731,5.053 h0.5 r180